# KiCad board Boston-keyboard-S.kicad_pcb (continued)
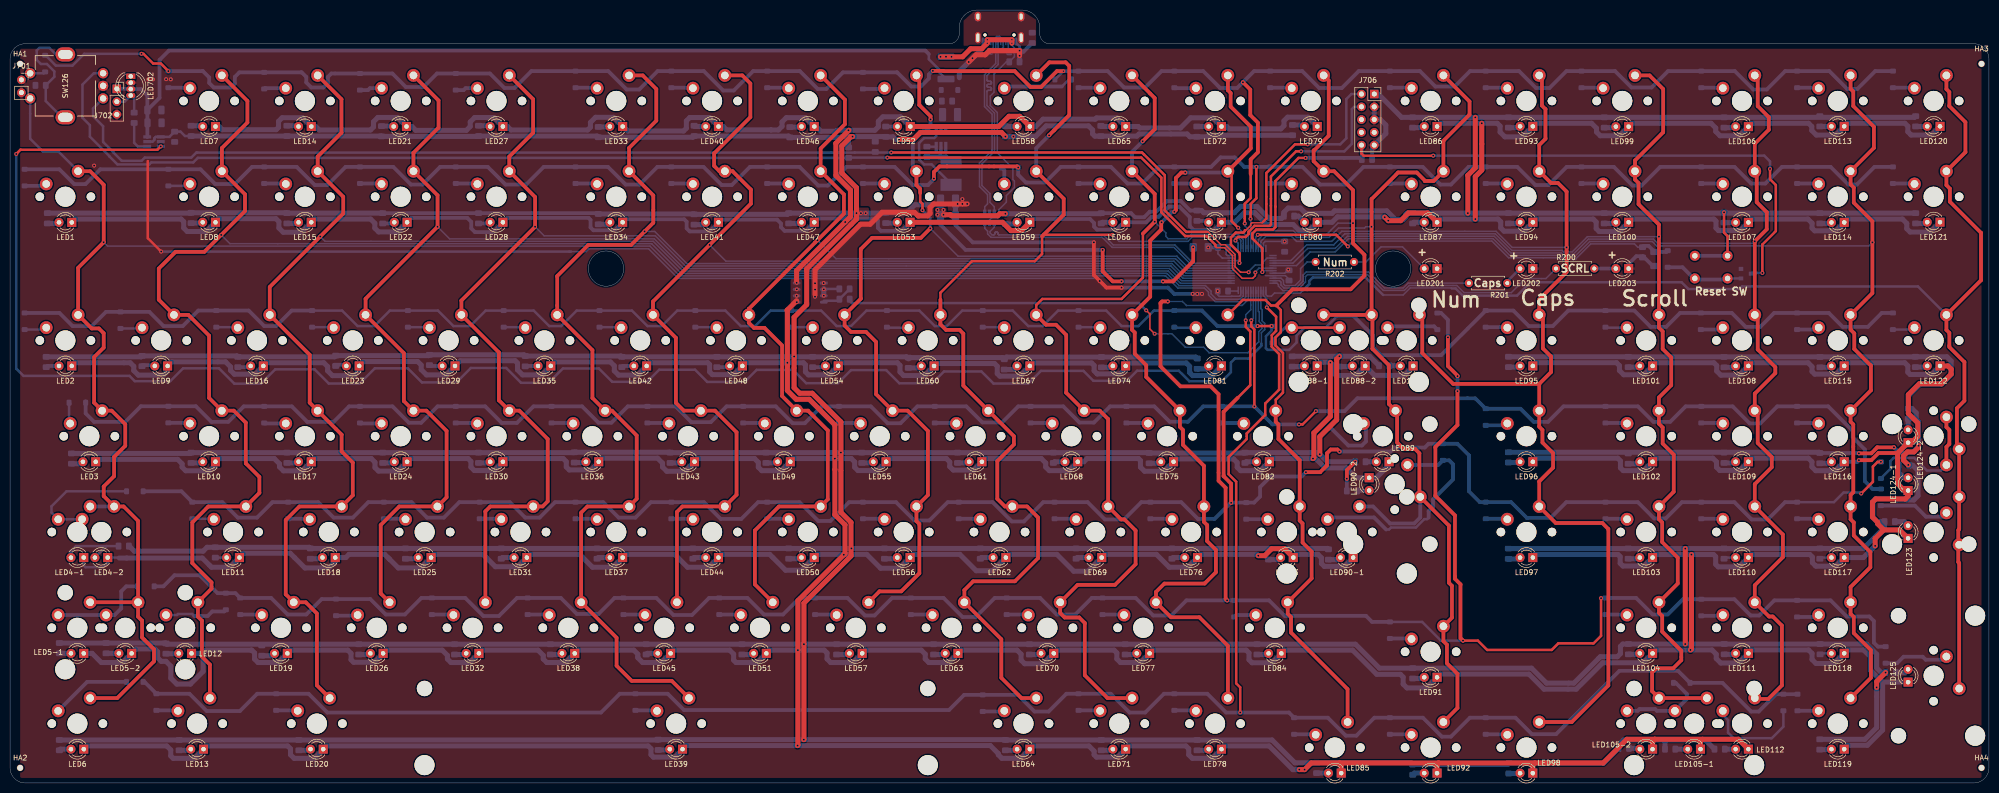
[diagram p0: board, top side]
## Nets (continued)
Net-(LED4-1-Pad2): LED4-1.2 LED4-2.2 R4.2
Net-(LED5-1-Pad2): LED5-1.2 R5-1.2
Net-(LED5-2-Pad2): LED5-2.2 R5-2.2
Net-(LED6-Pad2): LED6.2 R6.2
Net-(LED7-Pad2): LED7.2 R7.2
Net-(LED8-Pad2): LED8.2 R8.2
Net-(LED9-Pad2): LED9.2 R9.2
Net-(LED10-Pad2): LED10.2 R10.2
Net-(LED11-Pad2): LED11.2 R11.2
Net-(LED12-Pad2): LED12.2 R12.2
Net-(LED13-Pad2): LED13.2 R13.2
Net-(LED14-Pad2): LED14.2 R14.2
Net-(LED15-Pad2): LED15.2 R15.2
Net-(LED16-Pad2): LED16.2 R16.2
Net-(LED17-Pad2): LED17.2 R17.2
Net-(LED18-Pad2): LED18.2 R18.2
Net-(LED19-Pad2): LED19.2 R19.2
Net-(LED20-Pad2): LED20.2 R20.2
Net-(LED21-Pad2): LED21.2 R21.2
Net-(LED22-Pad2): LED22.2 R22.2
Net-(LED23-Pad2): LED23.2 R23.2
Net-(LED24-Pad2): LED24.2 R24.2
Net-(LED25-Pad2): LED25.2 R25.2
Net-(LED26-Pad2): LED26.2 R26.2
Net-(LED27-Pad2): LED27.2 R27.2
Net-(LED28-Pad2): LED28.2 R28.2
Net-(LED29-Pad2): LED29.2 R29.2
Net-(LED30-Pad2): LED30.2 R30.2
Net-(LED31-Pad2): LED31.2 R31.2
Net-(LED32-Pad2): LED32.2 R32.2
Net-(LED33-Pad2): LED33.2 R33.2
Net-(LED34-Pad2): LED34.2 R34.2
Net-(LED35-Pad2): LED35.2 R35.2
Net-(LED36-Pad2): LED36.2 R36.2
Net-(LED37-Pad2): LED37.2 R37.2
Net-(LED38-Pad2): LED38.2 R38.2
Net-(LED39-Pad2): LED39.2 R39.2
Net-(LED40-Pad2): LED40.2 R40.2
Net-(LED41-Pad2): LED41.2 R41.2
Net-(LED42-Pad2): LED42.2 R42.2
Net-(LED43-Pad2): LED43.2 R43.2
Net-(LED44-Pad2): LED44.2 R44.2
Net-(LED45-Pad2): LED45.2 R45.2
Net-(LED46-Pad2): LED46.2 R46.2
Net-(LED47-Pad2): LED47.2 R47.2
Net-(LED48-Pad2): LED48.2 R48.2
Net-(LED49-Pad2): LED49.2 R49.2
Net-(LED50-Pad2): LED50.2 R50.2
Net-(LED51-Pad2): LED51.2 R51.2
Net-(LED52-Pad2): LED52.2 R52.2
Net-(LED53-Pad2): LED53.2 R53.2
Net-(LED54-Pad2): LED54.2 R54.2
Net-(LED55-Pad2): LED55.2 R55.2
Net-(LED56-Pad2): LED56.2 R56.2
Net-(LED57-Pad2): LED57.2 R57.2
Net-(LED58-Pad2): LED58.2 R58.2
Net-(LED59-Pad2): LED59.2 R59.2
Net-(LED60-Pad2): LED60.2 R60.2
Net-(LED61-Pad2): LED61.2 R61.2
Net-(LED62-Pad2): LED62.2 R62.2
Net-(LED63-Pad2): LED63.2 R63.2
Net-(LED64-Pad2): LED64.2 R64.2
Net-(LED65-Pad2): LED65.2 R65.2
Net-(LED66-Pad2): LED66.2 R66.2
Net-(LED67-Pad2): LED67.2 R67.2
Net-(LED68-Pad2): LED68.2 R68.2
Net-(LED69-Pad2): LED69.2 R69.2
Net-(LED70-Pad2): LED70.2 R70.2
Net-(LED71-Pad2): LED71.2 R71.2
Net-(LED72-Pad2): LED72.2 R72.2
Net-(LED73-Pad2): LED73.2 R73.2
Net-(LED74-Pad2): LED74.2 R74.2
Net-(LED75-Pad2): LED75.2 R75.2
Net-(LED76-Pad2): LED76.2 R76.2
Net-(LED77-Pad2): LED77.2 R77.2
Net-(LED78-Pad2): LED78.2 R78.2
Net-(LED79-Pad2): LED79.2 R79.2
Net-(LED80-Pad2): LED80.2 R80.2
Net-(LED81-Pad2): LED81.2 R81.2
Net-(LED82-Pad2): LED82.2 R82.2
Net-(LED83-Pad2): LED83.2 R83.2
Net-(LED84-Pad2): LED84.2 R84.2
Net-(LED85-Pad2): LED85.2 R85.2
Net-(LED86-Pad2): LED86.2 R86.2
Net-(LED87-Pad2): LED87.2 R87.2
Net-(LED88-1-Pad2): LED88-1.2 R88-1.2
Net-(LED88-2-Pad2): LED88-2.2 R88-2.2
Net-(LED89-Pad2): LED89.2 R89.2
Net-(LED90-1-Pad2): LED90-1.2 R90-1.2
Net-(LED90-2-Pad2): LED90-2.2 R90-2.2
Net-(LED91-Pad2): LED91.2 R91.2
Net-(LED92-Pad2): LED92.2 R92.2
Net-(LED93-Pad2): LED93.2 R93.2
Net-(LED94-Pad2): LED94.2 R94.2
Net-(LED95-Pad2): LED95.2 R95.2
Net-(LED96-Pad2): LED96.2 R96.2
Net-(LED97-Pad2): LED97.2 R97.2
Net-(LED98-Pad2): LED98.2 R98.2
Net-(LED99-Pad2): LED99.2 R99.2
Net-(LED100-Pad2): LED100.2 R100.2
Net-(LED101-Pad2): LED101.2 R101.2
Net-(LED102-Pad2): LED102.2 R102.2
Net-(LED103-Pad2): LED103.2 R103.2
Net-(LED104-Pad2): LED104.2 R104.2
Net-(LED105-1-Pad2): LED105-1.2 R105-1.2
Net-(LED105-2-Pad2): LED105-2.2 R105-2.2
Net-(LED106-Pad2): LED106.2 R106.2
Net-(LED107-Pad2): LED107.2 R107.2
Net-(LED108-Pad2): LED108.2 R108.2
Net-(LED109-Pad2): LED109.2 R109.2
Net-(LED110-Pad2): LED110.2 R110.2
Net-(LED111-Pad2): LED111.2 R111.2
Net-(LED112-Pad2): LED112.2 R112.2
Net-(LED113-Pad2): LED113.2 R113.2
Net-(LED114-Pad2): LED114.2 R114.2
Net-(LED115-Pad2): LED115.2 R115.2
Net-(LED116-Pad2): LED116.2 R116.2
Net-(LED117-Pad2): LED117.2 R117.2
Net-(LED118-Pad2): LED118.2 R118.2
Net-(LED119-Pad2): LED119.2 R119.2
Net-(LED120-Pad2): LED120.2 R120.2
Net-(LED121-Pad2): LED121.2 R121.2
Net-(LED122-Pad2): LED122.2 R122.2
Net-(LED123-Pad2): LED123.2 R123.2
Net-(LED124-1-Pad2): LED124-1.2 R124-1.2
Net-(LED124-2-Pad2): LED124-2.2 R124-2.2
Net-(LED125-Pad2): LED125.2 R125.2
Net-(LED127-Pad2): LED127.2 R127.2
Net-(Q702-Pad4): Q702.4 R706.2 R707.2
Net-(R200-Pad2): R200.2 U701.12
Net-(R201-Pad2): R201.2 U701.11
Net-(R202-Pad2): R202.2 U701.10
Net-(R710-Pad2): R710.2 U705.4

## Via types
v1: diameter 0.8, hole 0.4, Top to Bottom, 168 vias
v2: diameter 0.6, hole 0.3, Top to Bottom, 5 vias

## Routing (per net, layer and track width the routed paths; a pad name or vN(x,y) marks a point on that pad's centre or on a via; arc(x,y) is an arc through that point)
+3V3: length 2817.5
  Top w0.5: SW200.1 341.5,108.75 340.8,109.45 v1(340.8,113.48)
  Top w0.75: v1(229.25,99.75) 231.25,99.75 235.25,103.75 v1(235.25,106.5) ; v1(221,99.75) 219.25,99.75 217.25,101.75 v1(217.25,106) ; v1(267.47,63.87) 265.8,62.2 v1(265.8,60.5) ; v1(367.62,65.55) 370.08,65.55 371.27,66.74 v1(374.59,66.74) ; 333.1,27.65 v1(333.07,27.62)
  Top w1: v1(291.34,132.36) 291.34,122.31 289.86,120.84 v1(289.86,113.31) ; v1(372.93,21.95) 371.15,20.18 v1(371.15,19) ; v1(197.93,128.55) 197.11,129.36 181,129.36 179.61,127.97 v1(176.78,127.97) ; v1(167.53,128.53) 167.2,128.53 165.38,126.71 165.38,121.29 168.3,118.37 168.3,112.13 158.4,102.23 158.4,95.1 155.9,92.6 v1(155.9,84.8) 155.9,78.6 157,77.5 159.5,77.5 165.2,71.8 v1(165.2,65.7) 165.2,53.82 167.21,51.81 167.21,45.14 157.85,35.78 v1(157.85,27.59) 157.85,8.63 v1(157.83,8.61) ; v1(185.6,113) 187,113 187.2,112.8 196.4,112.8 196.81,113.2 v1(197.9,113.2) ; v1(264.32,84.85) 263.78,84.31 263.78,72.22 260.43,68.86 v1(260.43,65.38) ; v1(379.48,67.06) 379.48,66.74 378.57,65.83 377.28,65.83 376.5,65.05 376.5,64.17 v1(377.43,63.24) ; v1(333.1,46.6) 333.1,27.65
  Bottom w0.3: C705.1 241.8,106.08 241.8,105.1 242.02,104.88 U701.36 ; U701.24 244.06,97.82 C707.1 ; 249.62,100.88 U701.9 253.6,100.88 254.3,100.17
  Bottom w0.5: L701.2 187.1,119.15 183.25,123 181.75,123 180.75,124 180.75,127.25 181.75,128.25 183.75,128.25 184.15,128.65 U702.1 ; R7.1 34.78,128.65 33.9,129.53 C712.1 31.68,128.48 U705.1 28.95,128.48 28.7,128.22 28.7,127.9 28.33,127.53 U705.5
  Bottom w0.75: R90-2.1 v1(265.8,60.5) ; R34.1 116.8,113.31 R28.1 R22.1 ; v1(379.48,67.06) 378.09,65.67 375.66,65.67 v1(374.59,66.74) ; v1(184.41,113.01) C711.1 185.01,110.99 190,106 v1(217.25,106) ; R73.1 234.68,113.83 232.8,115.7 230,115.7 227.9,113.6 226.6,113.6 225.5,112.5 223.7,112.5 222.89,113.31 R66.1 ; v1(221,99.75) v1(229.25,99.75) ; SW200.1 SW200.1 ; v1(367.62,65.55) 367.55,65.62 R116.1
  Bottom w1: R119.1 368.82,8.68 371.15,11 v1(371.15,19) ; R5-1.1 R5-2.1 30.92,27.83 R12.1 31.16,27.59 R26.1 R32.1 v1(157.85,27.59) R84.1 267.51,27.59 272.27,22.82 302.52,22.82 305.5,19.85 310.95,19.85 316.2,25.1 319.6,25.1 320.2,25.7 320.2,27.15 320.68,27.62 R104.1 v1(333.07,27.62) R118.1 369.12,27.62 371.15,25.6 371.15,22.85 372.05,21.95 v1(372.93,21.95) ; R73.1 236.93,113.83 237.35,113.4 243.45,113.4 244.7,114.65 247.92,114.65 250.32,112.25 252.8,112.25 R80.1 253.27,113.47 254.12,114.33 256.55,114.33 257.6,113.28 262.88,113.28 263.38,113.78 273.74,113.78 275.49,112.03 277.02,112.03 277.52,112.53 277.52,113.05 277.79,113.31 R87.1 ; 178.64,84.33 178.24,84.74 R54.1 R48.1 R42.1 121.49,84.9 R35.1 102.19,85.14 R29.1 83.22,84.97 R23.1 64.51,84.74 R16.1 45.1,84.92 26.24,84.92 26.05,84.74 R2.1 ; R87.1 v1(289.86,113.31) R100.1 R121.1 ; R87.1 278.78,113.42 ; R44.1 135.85,46.64 ; 135.85,46.64 R37.1 R31.1 R18.1 59.49,46.86 39.16,46.86 38.4,46.1 24.7,46.1 23.7,47.1 R4.1 ; 135.85,46.64 R50.1 v1(167.28,46.64) R62.1 R76.1 261.96,46.64 R90-1.1 ; R66.1 216.87,113.2 v1(197.9,113.2) ; R708.2 166.72,128.23 167.03,128.53 ; J706.1 272.05,137 276.69,132.36 R86.1 v1(291.34,132.36) R106.1 378.67,132.36 R120.1 ; R6.1 R13.1 128.8,8.54 R39.1 197.86,8.61 R64.1 R71.1 R78.1 250.93,8.54 255.46,4.01 R85.1 278.56,4.01 R92.1 297.77,3.68 R98.1 316.9,3.93 R105-2.1 319.86,7.58 320.83,8.55 328.7,8.55 ; R67.1 197.37,84.58 178.61,84.58 ; R67.1 197.98,84.55 ; R67.1 198.12,84.69 R74.1 235.76,84.69 R81.1 ; 255.15,84.85 v1(264.32,84.85) 270.32,84.85 R127.1 ; R116.1 359.71,65.76 R96.1 ; R7.1 R14.1 73.79,128.65 R21.1 93.08,128.57 R27.1 116.73,128.65 R33.1 135.78,128.41 R40.1 154.78,128.65 R46.1 165.24,128.37 165.4,128.53 167.03,128.53 ; v1(177.72,127.97) v1(176.78,127.97) 176.07,127.97 175.56,128.49 R52.1 174.06,128.53 v1(167.53,128.53) 167.03,128.53 ; R22.1 R15.1 54.98,113.39 R8.1 35.93,113.31 R1.1 ; R34.1 135.94,113.15 R41.1 154.59,113.08 R47.1 v1(168.31,113.31) v1(169.19,113.31) v1(170.14,113.31) 174.04,113.31 R53.1 178.31,113.39 179.91,114.99 185.59,114.99 185.6,115 ; R105-1.1 329.06,8.19 328.7,8.55 ; 328.7,8.55 337.07,8.55 338.9,6.72 ; 377.6,63.18 378.31,63.18 379.37,62.12 379.37,57.1 378.54,56.27 375.08,56.27 374.83,56.52 370.98,56.52 370.39,55.93 370.39,52.88 371.31,51.96 R123.1 372.72,50.85 368.51,46.64 R117.1 359.81,46.6 v1(333.1,46.6) R97.1 ; v1(379.48,67.06) 379.48,71.81 379.01,72.28 379.01,73.61 378.15,74.47 R124-2.1 377.45,76.96 379.82,79.33 384.11,79.33 385.96,81.18 385.96,83.91 385.12,84.75 R122.1 378.84,84.74 R101.1 321.74,84.75 R95.1 ; R3.1 35.84,65.53 R10.1 R17.1 R24.1 R30.1 112.13,65.69 R36.1 131.18,65.76 R43.1 R49.1 R55.1 R61.1 R68.1 226.43,65.69 R75.1 245.48,65.62 R82.1 260.11,65.69 v1(260.43,65.38) 261.93,63.87 v1(267.47,63.87) ; v1(197.93,128.55) v1(199.5,128.55) 203.9,128.55 206.02,130.68 214.43,130.68 215.25,129.85 215.25,129.07 215.7,128.62 R65.1 224.05,128.62 224.48,129.05 234.05,129.05 234.6,128.5 R72.1 238.05,128.5 238.35,128.8 R79.1
  vias: v1(184.4,113.96) v1(185.6,113.96)
+5V: length 186.6
  Bottom w0.5: 182.69,144.94 182.69,143.91 184.78,141.82 184.78,141.3 F701.1 ; U705.6 27.63,128.48
  Bottom w0.75: J702.1 23.97,138.03 LED702.3 26.03,137.99 27.3,136.72 C704.1 ; 182.69,144.94 181.99,145.65 31.59,145.65 29.72,143.78 29.72,136.25 C704.1 ; U705.6 27.3,128.51 C704.1
GND: length 399.4
  Top w0.5: v1(30.05,105.67) 27.39,108.33 27.39,123.68
  Top w0.75: v1(215.5,107.5) 215.5,101 v1(216.68,99.82) 218,98.5 v1(221,98.5)
  Top w1: v1(190.62,143.38) 192.05,144.8 193.9,144.8 194.72,145.62 ; 160.07,97.05 160.07,102.05 169.12,111.1 171.02,111.1 173.4,113.48 179.83,113.48 180.54,112.77 182.45,112.77 182.93,113.24 182.93,114.43 183.64,115.15 v1(188.4,115.15) v1(189.36,115.15) v1(190.31,115.15) ; v1(200.72,144.62) v1(200.72,145.62) 194.72,145.62 ; 194.72,145.62 194.72,145.53
  Bottom w0.3: U701.8 253.45,101.38 v1(254.16,102.09) 254.3,102.22 ; U703.2 194.75,112.95 194.44,112.64 188.23,112.64 C711.2 ; v1(216.68,99.82) 216.16,100.34 132.85,100.34 126.97,106.22 115.11,106.22 114.56,105.67 111.18,105.67 ; v1(253.43,107.69) 249.56,107.69 249.21,107.33 U701.47 ; U701.35 241.02,104.38 240.18,105.22 C705.2 ; v1(240.13,97.82) 240.13,97.06 240.43,96.76 242.93,96.76 242.96,96.79 244.49,96.79 244.71,97.01 U701.23
  Bottom w0.5: 193.49,147.97 193.49,146.59 193,146.1 ; 199.99,147.97 199.99,147.21 200.72,146.47 v1(200.72,145.62) R705.1 200.72,145.68 ; 111.54,105.67 v1(30.05,105.67) ; R707.1 161.87,98.24 161.8,98.31
  Bottom w0.75: v1(238.24,106.5) C705.2 ; CRST1.2 326.65,102.8 324.7,104.75 323.35,104.75 321.83,103.23 LED203.1 ; v1(190.62,143.38) 189.95,142.7 ; 303.1,101.97 LED202.1 ; C702.2 270.82,126.41 J706.9 ; L702.2 201.5,145.4 R705.1 ; v1(215.5,107.5) 191.41,107.5 187.99,110.93 C711.2 ; v1(221,98.5) 230.25,98.5 231.5,97.25 v1(235.15,97.25) v1(236.05,97.25) v1(237,97.25)
  Bottom w1: R705.1 v1(200.72,144.62) CUSB1.2 ; 161.8,97.17 161.8,98.31 ; J706.9 273.55,129.14 273.55,130.85 272.48,131.92 J706.5 J706.3 ; 188.75,140.25 188.75,141.5 v1(190.62,143.38) v1(191.38,144.12) 191.65,144.4 ; 191.7,144.4 R704.1 ; C706.2 C711.2
  vias: v1(16.72,122.77) v1(27.5,139.93) v1(28.42,139.93) v1(31.03,139.95) v1(31.95,139.93) v1(160.06,99.37) v1(160.07,98.12) v1(160.05,96.69) v1(161.78,99.41) v1(161.8,98.16) v1(161.8,96.9) v1(189.36,116.1)
VBUS: length 59.8
  Top w1: v2(199.2,147.1) v2(199.2,147.8) v2(194.3,147.8) v2(194.3,147.1) 193.2,146 191,146 189.4,144.4 v1(185,144.4)
  Bottom w0.3: v2(199.2,147.1) 199.2,146.7 199.7,146.2 199.7,144.43 198.68,143.4 198.1,143.4 195.64,140.94 195.64,137.34 194.9,136.6 194.9,134.72 196.3,133.32 196.3,125.3 199.4,122.2 199.4,120 199.7,119.7 199.7,118.4 198.1,116.8 198.1,115.5 196.6,114 196.6,112.6 196.4,112.4 195.2,112.4 194.75,111.95 U703.5
  vias: v1(186.1,144.4) v1(187.2,144.4)
BOOT0: length 89.4
  Top w0.5: v1(248.1,109) 263.7,109 v1(266,106.7)
  Bottom w0.3: v1(266,106.7) 267.06,107.76 294.64,107.76 297.96,104.44 307.76,104.44 308.08,104.12 311.32,104.12 311.32,104.22 314.3,107.19 323,107.19 323.64,106.55 R702.2 ; U701.44 247.71,108.61 v1(248.1,109)
  Bottom w0.75: 324.7,106.8 325.8,106.8 CRST1.1 329.35,105.6 D703.1
CAP_INDICATOR: length 3.9
  Bottom w0.5: LED202.2 297.7,99.75 R201.1
Col1: length 402.9
  Top w0.5: 26.24,35.14 SW5-2.1
  Top w0.75: SW5-1.1 SW5-2.1 ; SW5-2.1 25.45,52.12 22.59,54.98 SW4-2.1 18.62,57.04 18.62,58.95 20.68,61.01 20.68,64.82 22.91,67.05 22.91,71.33 20.21,74.03 SW3.1 16.72,75.62 16.72,84.67 18.62,86.57 18.62,89.43 17.67,90.38 16.24,90.38 SW2.1 13.54,102.45 v1(18.62,107.53) 18.62,118.96 15.92,121.66 SW1.1 ; SW5-2.1 25.45,33.07 26.24,32.28 26.24,28.94 28.62,26.56 28.62,24.18 21.32,16.88 SW6.1
  Bottom w0.3: U701.21 245.71,96.65 244.78,95.72 239.62,95.72 238.3,97.04 238.3,97.6 237.48,98.42 232.18,98.42 229.76,100.84 133.16,100.84 127.24,106.76 19.39,106.76 v1(18.62,107.53)
  Bottom w0.5: SW126.S1 4,128.1 6.55,125.55 9.64,125.55 SW1.1
  Bottom w0.75: SW4-1.1 SW4-2.1
Col2: length 375.6
  Top w0.75: SW7.1 47.19,135.62 47.19,131.34 42.11,126.26 SW8.1 46.72,117.05 46.72,113.72 v1(41.98,108.98) 38.62,105.62 32.91,105.62 29.57,102.29 29.57,96.1 SW9.1 35.45,93.08 39.58,88.95 39.58,76.57 SW10.1 44.5,74.03 46.88,71.65 46.88,63.55 49.58,60.85 49.58,57.68 SW11.1 39.42,54.98 36.24,51.81 36.24,43.71 40.05,39.9 40.05,38.63 SW12.1 37.35,33.07 38.15,32.28 38.15,25.13 39.73,23.55 SW13.1
  Bottom w0.3: 245.21,96.83 244.58,96.2 239.85,96.2 238.8,97.25 238.8,97.8 237.7,98.9 232.42,98.9 230,101.32 133.48,101.32 127.56,107.24 43.72,107.24 v1(41.98,108.98) ; 245.21,96.83 245.2,96.82 ; 245.21,96.83 U701.22
Col3: length 343.2
  Top w0.75: SW14.1 65.9,135.97 65.9,129.3 61.17,124.56 SW15.1 66.25,116.58 66.25,113.24 v1(61.67,108.67) 51.64,98.64 SW16.1 59.58,85.14 59.58,75.62 SW17.1 65.93,69.27 65.93,65.93 68.15,63.71 68.15,57.2 SW18.1 57.51,54.98 54.81,52.28 54.81,37.52 SW19.1 58.78,35.93 61.01,33.71 61.01,19.42 SW20.1
  Bottom w0.3: v1(61.67,108.67) 62.62,107.72 127.88,107.72 133.8,101.8 230.3,101.8 232.72,99.38 U701.25
Col4: length 297.8
  Top w0.75: SW26.1 73.7,37.68 73.7,51.3 77.38,54.98 SW25.1 86.8,56.8 86.8,70 82.77,74.03 SW24.1 78.3,75.94 78.3,85.47 SW23.1 70.69,96.29 v1(85,110.6) 85,116.87 SW22.1 80.22,125.31 85.2,130.3 85.2,135.72 SW21.1
  Bottom w0.3: U701.26 232.95,99.88 230.53,102.3 134,102.3 128.1,108.2 87.4,108.2 v1(85,110.6)
Col5: length 279
  Top w0.75: SW27.1 104,135.97 104,129.3 99.26,124.56 SW28.1 104.4,116.52 v1(104.4,110.6) 89.74,95.94 SW29.1 97.2,85.62 97.2,76.09 SW30.1 101.27,74.03 106.9,68.4 106.9,56 105.88,54.98 SW31.1 95.48,54.98 94.5,54 SW32.1
  Bottom w0.3: U701.27 233.22,100.38 230.79,102.81 134.29,102.81 128.3,108.8 106.2,108.8 v1(104.4,110.6)
Col6: length 295.4
  Top w0.75: SW33.1 125.79,140.7 128.5,138 128.5,131.7 123.08,126.28 SW34.1 127.9,116.83 127.9,111.4 v1(126.18,109.67) 123.5,107 115,107 108.79,100.79 SW35.1 115.8,86.07 115.8,76.55 SW36.1 119.67,74.03 124.6,69.1 124.6,56.5 SW37.1 114.78,54.98 113.55,53.75 SW38.1 120.6,28.88 120.6,23.3 123.6,20.3 131.56,20.3 SW39.1
  Bottom w0.3: U701.28 233.41,100.88 231,103.29 134.56,103.29 128.18,109.67 v1(126.18,109.67)
Col7: length 251
  Top w0.75: SW40.1 145.59,140.7 147.2,139.1 147.2,132.4 140,125.2 140,122.7 141.04,121.66 SW41.1 143.65,121.66 147.3,118 147.3,115.2 v1(139.09,107) 127.84,95.74 SW42.1 132.4,88.52 132.4,75.6 133.97,74.03 SW43.1 140.17,74.03 144.45,69.75 144.45,57.3 SW44.1 133.68,54.98 132.6,53.9 SW45.1
  Bottom w0.3: 158.85,103.77 231.4,103.77 233.79,101.38 U701.29 ; 158.85,103.77 158.73,103.77 ; 158.85,103.77 142.32,103.77 v1(139.09,107)
Col8: length 224.7
  Top w0.75: SW51.1 148.1,39.48 148.1,50.2 152.88,54.98 SW50.1 162.6,56.4 162.6,70.1 158.67,74.03 SW49.1 153.5,76.94 153.5,87 150,90.5 147.9,90.5 146.89,91.51 SW48.1 146.89,94.29 v1(160.53,107.94) 165.8,113.2 165.8,117.03 SW47.1 161.18,126.18 166,131 166,135.88 SW46.1
  Bottom w0.3: U701.30 234.12,101.88 231.75,104.25 164.22,104.25 v1(160.53,107.94)
Col9: length 203.3
  Top w0.5: v1(181.43,113.9) 181.43,115.14 180.96,115.61 180.96,117.3
  Top w0.75: SW52.1 180.78,140.15 180.78,134.84 183.03,132.59 v1(183.03,131.95) ; v1(182.97,110.28) 181.1,108.4 171.4,108.4 169.16,106.16 169.16,96.3 SW54.1 165.94,90.96 167.2,89.7 170.2,89.7 172.2,87.7 172.2,77.3 SW55.1 178.47,74.03 182.5,70 182.5,57.25 SW56.1 180.23,52.07 180.8,51.5 180.8,41.7 177.2,38.1 172.87,38.1 SW57.1 ; SW53.1 180.23,118.88 180.96,118.15 180.96,117.3
  Bottom w0.3: U701.31 234.37,102.38 232,104.75 188.5,104.75 v1(182.97,110.28)
  Bottom w0.5: v1(181.43,113.9) 182.97,112.35 v1(182.97,110.28)
  Bottom w0.75: v1(183.03,131.95) 183.03,130.53 182.09,129.59 181.52,129.59 179.5,127.57 179.5,122.38 SW53.1
Col10: length 231.7
  Top w0.5: v1(219.2,109) 205.75,109 205.62,109.12 ; 205.2,108.7 205.2,105.2 203.75,103.75 191.25,103.75 184.99,97.49 184.99,96.09
  Top w0.75: SW59.1 209.5,116.19 209.5,113 205.2,108.7 ; SW64.1 201.12,16.88 197.1,20.9 197.1,28.58 SW63.1 189.75,38.35 191.5,40.1 199.8,40.1 204.4,44.7 204.4,52.8 202.22,54.98 SW62.1 197.82,54.98 196.3,56.5 196.3,64 199.6,67.3 199.6,68.94 SW61.1 189.54,79 189.54,89.36 188.8,90.1 186.1,90.1 184.99,91.21 SW60.1 184.99,96.09 ; SW58.1 206.64,143.3 209.9,143.3 210.6,142.6 210.6,132.8 v1(206.6,128.8)
  Bottom w0.3: U701.38 244.71,107.89 244,108.6 235.1,108.6 234.2,107.7 220.5,107.7 v1(219.2,109) 219.3,108.9
  Bottom w0.75: SW59.1 204.04,126.24 v1(206.6,128.8)
Col11: length 203
  Top w0.5: 225.25,109.25 225.25,100.5 221,96.25 205.25,96.25 204.04,95.04 SW67.1
  Top w0.75: SW71.1 218.22,16.88 213.7,21.4 213.7,31.8 212.6,32.9 209.7,32.9 208.8,33.8 SW70.1 212.27,39.4 219.7,39.4 223.8,43.5 223.8,50.2 221.6,52.4 220.91,52.4 SW69.1 218.33,72.37 216.67,74.03 SW68.1 210,77.59 210,89.1 207.98,91.12 206,91.12 SW67.1 ; v1(225.21,127.61) 227.6,130 227.6,136.19 SW65.1 ; SW66.1 227.6,117.15 v1(227.6,111.6) 225.25,109.25
  Bottom w0.3: U701.39 245.21,108.07 244.2,109.08 234.86,109.08 233.98,108.2 230.3,108.2 229.8,108.7 229.8,109.4 v1(227.6,111.6)
  Bottom w0.75: v1(225.21,127.61) 223.09,125.49 SW66.1
Col12: length 184.7
  Top w0.5: SW73.1 242.9,120.9 242.9,111.7 v1(244.2,110.4)
  Top w0.75: SW72.1 242.14,137.76 242.7,137.2 242.7,134.5 246.7,130.5 246.7,126.22 SW73.1 ; v1(231.5,113.6) 231.8,113.9 231.8,120.3 232.88,121.38 v1(233.68,121.38) ; SW78.1 242.14,27.3 236.49,32.95 230.83,32.95 SW77.1 227.85,37.98 229.52,39.65 237.52,39.65 239.76,41.89 239.76,46.35 238.03,48.08 238.03,51.27 237.38,51.92 SW76.1 237.38,63.07 233.22,67.23 233.22,70.19 232.62,70.8 SW75.1 225.91,80.73 225.91,83.07 223.63,85.35 223.63,89.57 223.09,90.11 SW74.1 226.7,96.69 226.7,107.86 228.89,110.05 228.89,111.41 v1(228.97,111.49)
  Bottom w0.3: U701.40 245.71,108.89 v1(244.2,110.4) ; 242.9,120.9 SW73.1
  Bottom w0.75: v1(233.68,121.38) 241.87,121.38 SW73.1 ; v1(228.97,111.49) 231.08,113.6 v1(231.5,113.6)
Col13: length 197.3
  Top w0.5: SW81.1 245.11,96.05 249.61,96.05 250.72,94.94 251.77,94.94 252.67,94.04 252.67,89.64 251.61,88.58 251.61,86.99 253.1,85.5 253.1,77.63 251.67,76.19 SW82.1
  Top w0.75: SW85.1 265.95,18.65 254.7,29.9 254.7,33 254.05,33.65 SW84.1 258.8,40.68 258.8,46 257,47.8 257,51.6 256.43,52.17 SW83.1 256.43,64.17 252.2,68.4 252.2,71.3 251.67,71.83 SW82.1 251.67,74.02 ; SW79.1 262.2,139.69 262.2,128.7 259.3,125.8 259.2,125.8 259.2,123.65 SW80.1 263.25,121.66 267.03,117.88 267.03,107.3 269.3,105.03 269.3,100.9 266.57,98.17 255,98.17 251.77,94.94
  Bottom w0.3: U701.43 247.21,109.27 247.79,109.85 255.15,109.85 256,109 261.7,109 264.02,111.33 v1(267.02,111.33)
Col14: length 210.5
  Top w0.75: SW86.1 290.2,135.51 290.2,132.9 285,127.7 SW87.1 283.05,119.7 281.3,119.7 281.3,119.8 279.7,121.4 276,121.4 270.71,116.12 SW88-2.1 ; SW88-2.1 270.9,92.89 270.9,86.33 274.16,83.07 274.16,75.35 SW89.1 275.8,73.71 275.8,67.7 277.1,66.4 279.4,66.4 280.22,65.58 280.22,57.06 SW90-2.1 ; SW88-2.1 SW88-1.1 ; SW90-2.1 286.1,51.18 286.1,39.8 286.7,39.2 286.7,32.87 SW91.1 285,28.2 285.7,27.5 285.7,23.8 287.8,21.7 287.8,14.91 SW92.1 ; SW90-2.1 280.4,57.5
  Bottom w0.3: v1(270.71,110.61) 269.58,110.61 269.32,110.35 264.15,110.35 262.3,108.5 255.8,108.5 255.07,109.23 249.38,109.23 248.21,108.06 U701.45
  Bottom w0.75: SW90-2.1 280.4,52.8 279.2,51.6 274.4,51.6 271.02,54.98 SW90-1.1
Col15: length 258.5
  Top w0.75: 304.05,79.35 306.4,81.7 306.4,84.8 304.8,86.4 304.8,92.33 SW95.1 304.05,96.15 309.5,101.6 v1(309.5,106.5) 309.5,117.6 307.8,119.3 306.41,119.3 SW94.1 304.05,126.85 305.3,128.1 305.3,134 304.6,134.7 304.6,140.16 SW93.1 ; 304.05,79.35 286.95,79.35 280.8,85.5 280.8,92.52 280.41,92.91 280.24,92.91 ; 304.05,79.35 SW96.1 304.05,70.85 304.7,70.2 304.7,67.7 306.8,65.6 306.8,62.7 304.05,59.95 SW97.1 307.33,51.7 316.6,51.7 317.8,50.5 317.8,19.4 310.52,12.12 SW98.1
  Bottom w0.3: v1(309.5,106.5) 298.68,106.5 295.48,109.7 264.8,109.7 262.8,107.7 255.8,107.7 254.75,108.75 249.75,108.75 248.7,107.7 248.7,107.52 248.71,107.51 U701.46
Col16: length 237.7
  Top w0.75: SW99.1 326,140.7 328.7,138 328.7,129.4 323.1,123.8 SW100.1 323.11,121.65 323.11,119.99 323.8,119.3 323.8,115.1 327.87,111.03 v1(327.87,108.64) SW101.1 327.87,90.53 328.6,89.8 328.6,86.3 330.3,84.6 330.3,79.1 327.87,76.67 SW102.1 327.87,71.44 328.6,70.7 328.6,67.5 330.8,65.3 330.8,57.92 SW103.1 327.87,52.44 328.5,51.8 328.5,47.9 331.6,44.8 331.6,39.66 SW104.1 327.87,33.84 328.5,33.2 328.5,30.1 332.3,26.3 332.3,24.4 330.7,22.8 327.3,22.8 326.5,22 326.5,18.25 SW105-2.1 SW105-1.1
  Bottom w0.3: v1(327.87,108.64) 313.63,108.64 310.6,105.6 308.9,105.6 308.6,105.9 298.6,105.9 295.3,109.2 265.4,109.2 263.2,107 257.8,107 254.68,103.88 U701.3
Col17: length 246.9
  Top w0.75: SW106.1 347.5,140.12 347.5,134.6 349.7,132.4 349.7,129.9 346.92,127.12 SW107.1 347.3,121.27 347.3,115.5 349.3,113.5 349.3,110.1 v1(346.92,107.72) SW108.1 347.5,92.5 347.5,86.2 351,82.7 351,81.5 346.92,77.42 SW109.1 347.5,73.44 347.5,67.6 350.3,64.8 350.3,62.8 346.92,59.42 SW110.1 352.5,49.39 352.5,44.9 346.92,39.31 SW111.1 349.75,33.1 350.5,33.1 352.3,31.3 352.3,19.4 349.61,16.71 346.92,16.71
  Bottom w0.3: U701.4 255.08,103.38 258,106.3 263.5,106.3 265.92,108.72 295.1,108.72 298.42,105.4 308.4,105.4 308.7,105.1 310.78,105.1 313.83,108.15 326.75,108.15 327.6,107.3 346.5,107.3 v1(346.92,107.72)
Col18: length 266.5
  Top w0.75: 365.96,140.7 365.96,138.03 366.5,137.5 366.5,134.6 370.6,130.5 370.6,126.29 365.96,121.66 365.96,119.03 366.6,118.4 366.6,115.4 370.3,111.7 v1(370.3,107.5) 370.3,97.42 365.96,93.08 365.96,90.14 366.7,89.4 366.7,86.3 370,83 370,78.06 365.96,74.03 365.96,71.83 366.5,71.3 366.5,57.8 365.96,57.27 365.96,52.44 366.6,51.8 366.6,49.2 369.9,45.9 369.9,42.9 365.96,38.97 365.96,33.63 366.6,33 366.6,29.8 370,26.4 370,20.91 365.96,16.88
  Bottom w0.3: v1(370.3,107.5) 369.6,106.8 327.4,106.8 326.53,107.67 314.1,107.67 311.03,104.6 308.5,104.6 308.18,104.92 298.18,104.92 294.86,108.24 266.12,108.24 263.48,105.6 258.5,105.6 255.78,102.88 U701.5
Col19: length 278.6
  Top w0.75: SW125.1 387.56,43.75 387.38,43.92 387.38,50.28 387.56,50.45 SW124-1.1 SW124-2.1 387.1,66.86 387.1,74.5 388.6,76 388.6,83.7 385.6,86.7 385.6,89.5 385.01,90.08 SW122.1 391.9,99.97 391.9,109.4 385.7,115.6 385.7,118.2 385.01,118.88 SW121.1 388.8,125.44 388.8,131.4 385.6,134.6 385.6,137.4 385.01,137.99 SW120.1
  Bottom w0.3: U701.13 249.71,97.11 250.01,96.81 250.81,96.81 251.42,97.42 256.54,97.42 257.36,98.24 ; 286.66,98.34 286.56,98.44 278.4,98.44 277,97.04 273.02,97.04
  Bottom w0.5: 257.08,97.96 258.33,99.21 258.33,99.83 259.02,100.52 269.54,100.52 273.02,97.04 ; SW122.1 379.37,98.73 344.37,98.73 343.86,98.22 333.71,98.22 332.36,99.57 302.3,99.57 299.65,96.92 288.85,96.92 287.43,98.34 286.66,98.34
D+: length 53.4
  Bottom w0.2: U701.33 242.77,103.36
  Bottom w0.3: U701.33 242.79,103.37 235.22,103.37 231.6,106.99 219.35,106.99 217.35,108.99 196.71,108.99 196.64,109 196.58,109.02 196.52,109.06 196.48,109.1 196.44,109.16 196.42,109.22 196.41,109.29 196.41,109.29 196.4,109.36 196.38,109.42 196.34,109.48 196.3,109.53 196.24,109.56 196.18,109.58 196.11,109.59 196.04,109.58 195.98,109.56 195.92,109.53 195.88,109.48 195.84,109.42 195.82,109.36 195.81,109.29 195.81,109.29 195.8,109.22 195.78,109.16 195.74,109.1 195.7,109.06 195.64,109.02 195.58,109 195.51,108.99 195.25,108.99 194.86,109.38 194.86,109.66 195.7,110.5 U703.4
D-: length 53.4
  Bottom w0.2: U701.32 242.77,102.91
  Bottom w0.3: U701.32 242.79,102.89 235.02,102.89 231.4,106.51 219.15,106.51 217.15,108.51 195.05,108.51 194.38,109.18 194.38,109.72 193.8,110.3 U703.6
Dbus+: length 43.9
  Bottom w0.3: 196.47,145.27 197.5,146.3 197.5,146.61 197.49,146.63 197.49,147.97 ; 196.47,145.27 196.47,147.96 196.48,147.97 ; 196.47,145.27 196.47,142.88 194.24,140.65 194.24,139.84 194.25,139.77 194.27,139.71 194.31,139.65 194.35,139.61 194.41,139.57 194.47,139.55 194.54,139.54 194.85,139.54 194.91,139.53 194.98,139.51 195.03,139.47 195.08,139.43 195.12,139.37 195.14,139.31 195.15,139.24 195.14,139.17 195.12,139.11 195.08,139.05 195.03,139.01 194.98,138.97 194.91,138.95 194.85,138.94 194.54,138.94 194.47,138.93 194.41,138.91 194.35,138.87 194.31,138.83 194.27,138.77 194.25,138.71 194.24,138.64 194.25,138.57 194.27,138.51 194.31,138.45 194.35,138.41 194.41,138.37 194.47,138.35 194.54,138.34 194.85,138.34 194.91,138.33 194.98,138.31 195.03,138.27 195.08,138.23 195.12,138.17 195.14,138.11 195.15,138.04 195.14,137.97 195.12,137.91 195.08,137.85 195.03,137.81 194.98,137.77 194.91,137.75 194.85,137.74 194.54,137.74 194.47,137.73 194.41,137.71 194.35,137.67 194.31,137.63 194.27,137.57 194.25,137.51 194.24,137.44 194.24,134.7 195.74,133.2 195.74,125.6 193.24,123.1 193.24,118.8 194.84,117.2 194.84,115.46 195.7,114.6 U703.3 ; 197.49,147.93 197.49,147.97 ; 197.49,147.97 197.47,147.96